# Altium PCB OZ440-SE130-CAR001.PcbDoc (part 2 of 2)
Units mm, origin at the board's own origin, x right, y up, seen from the top; angles counter-clockwise.
Board outline 154.93 x 68 mm, 4 copper layers (Top Layer, Mid-Layer 1, Mid-Layer 2, Bottom Layer), stack 1.448 mm thick; 100 components, 66 nets, 304 pads, 193 vias.
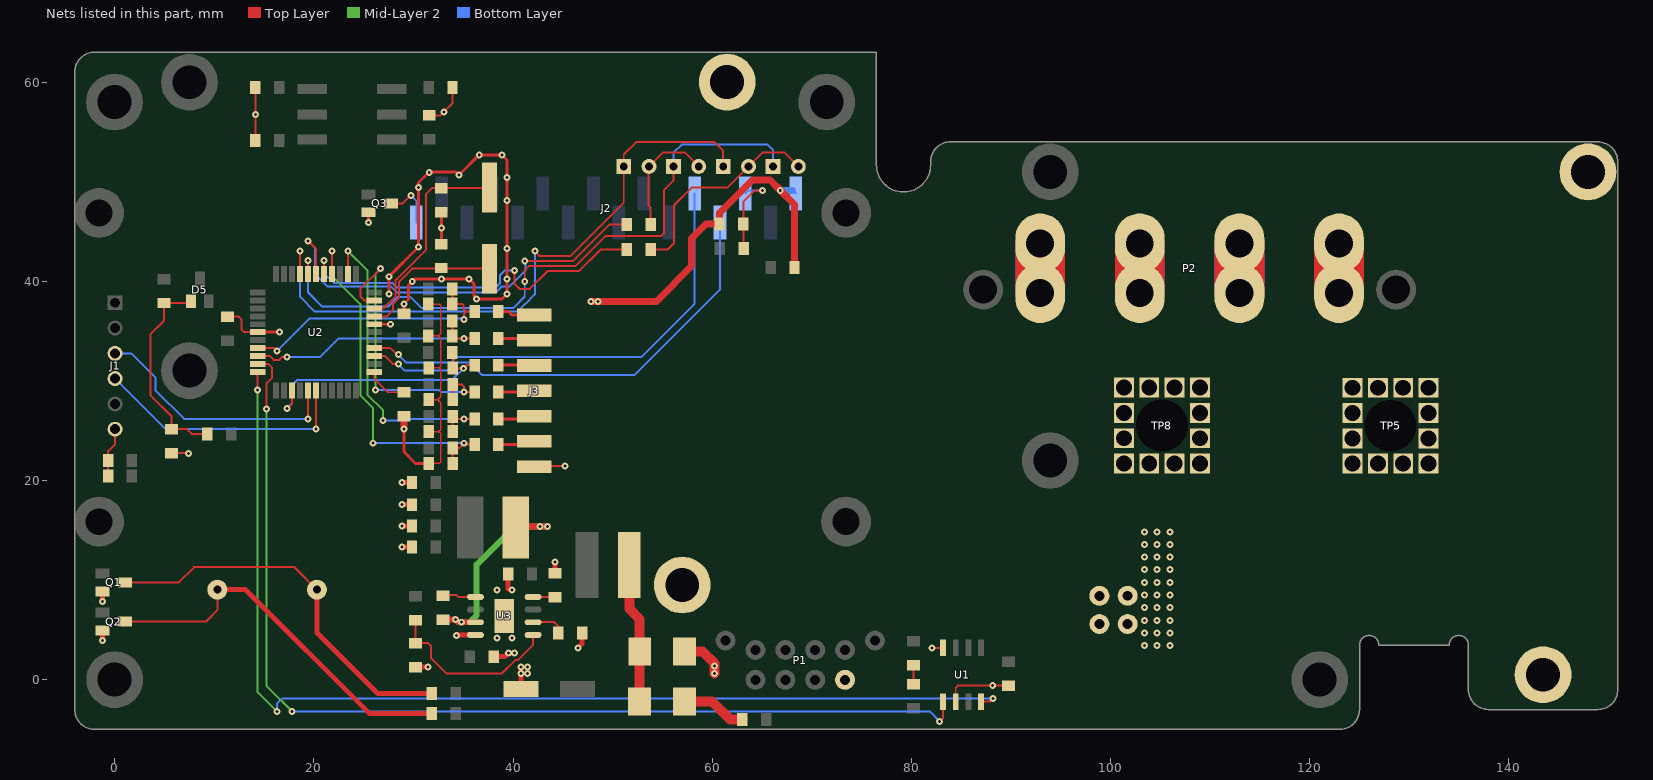
[diagram p4: the nets of this part, all layers, seen from the top]

## Via types
v1: diameter 0.7, hole 0.3, Top Layer to Bottom Layer, tented both sides, 165 vias
v2: diameter 0.6, hole 0.6, Top Layer to Bottom Layer, tented both sides, 28 vias

## Nets (pads, with @x,y where several pads share a name; then routed paths per layer and width w, separated by ;. In a path a pad name is that pad's centre, name@x,y a point inside that pad or via, vN(x,y) a via of type N, cw(c..) or ccw(c..) an arc to the next point about the centre after c; other vN are vias at no path point) (continued)
GND: C1.1 C2.1 C3.1 C4.2 C6.1 C7.1 C8.1 C9.1 C10.1 C11.2 C12.2 C13.2 C14.2 C15.2 C16.2 C18.2 C19.2 C20.1 C21.2 C22.1 C23.1 C24.1 C25.1 C26.1 D7.A J1.6 J2.1 J3.7 P1.1 Q1.2 Q2.2 Q3.2 R6.1 R10.1 R12.1 R13.1 R21.1 R22.2 R23.2 U1.2 U1.8 U2.6 U2.29 U3.4 U3.9 | length 180.1
  Top Layer w0.15: C12.2@31.507,34.509 32.512,34.509 ; C11.2@31.507,37.707 32.591,37.707 32.725,37.574 32.725,34.722 32.512,34.509 ; C16.2@31.525,21.717 32.591,21.717 32.725,21.85 32.725,24.725 32.535,24.915 ; C15.2@31.525,24.915 32.535,24.915 ; C14.2@31.525,28.113 32.431,28.113 ; C13.2@31.525,31.311 32.581,31.311 ; 32.431,28.113 32.725,28.407 32.725,31.168 32.581,31.311 ; 32.431,28.113 32.725,27.819 32.725,25.105 32.535,24.915 ; 32.512,34.509 32.725,34.296 32.725,31.455 32.581,31.311
  Top Layer w0.2: R23.2@-0.663,20.438 R22.2@-0.663,22.004 -0.663,22.941 0.045,23.649 J1.6@0.045,25.148 ; C10.1@5.729,22.749 7.371,22.749 v1(7.395,22.724) ; C6.1@11.329,36.443 12.472,36.443 12.729,36.186 12.729,35.17 13.012,34.887 U2.6@14.365,34.887 ; R10.1@14.123,54.137 v1(14.123,56.76) R13.1@14.123,59.458 ; R12.1@31.588,56.672 32.707,56.672 v1(33.049,57.014) 33.923,57.889 R6.1@33.923,59.458 ; J3.7@42.138,21.383 42.209,21.454 v1(45.241,21.454) ; v1(82.071,3.166) 82.107,3.203 U1.8@83.183,3.203 ; U1.2@84.453,-2.197 84.453,-0.802 84.649,-0.605 v1(88.167,-0.605) C1.1@89.747,-0.605
  Top Layer w0.3: U2.6@14.365,34.887 v1(16.539,34.887) ; v1(25.481,45.891) Q3.2@25.481,46.931 ; U2.29@26.065,35.687 v1(27.703,35.687) ; v1@27.528,38.726 27.528,40.455 v1(27.532,40.458) 30.509,43.435 30.509,49.394 v1(30.513,49.398) 30.513,49.91 31.589,50.986 34.259,50.986 v1(34.577,50.668) 36.605,52.696 38.891,52.696 39.399,52.188 39.399,40.254 39.399,38.726 38.891,38.218 36.351,38.218 36.097,38.472 36.097,39.721 35.597,40.222 30.102,40.222 v1(29.881,40) 29.493,39.612 29.493,38.162 v1(29.041,37.71) 29.037,37.707 C7.1@29.037,36.722 ; v1(29.041,25.148) 29.041,22.893 30.217,21.717 C16.2@31.525,21.717 ; C3.1@32.795,43.736 v1(32.795,45.33) C2.1@32.795,46.924
  Top Layer w0.5: v1(-1.231,3.927) v1(-1.231,3.927) Q2.2@-1.23,4.938 ; v1(-1.23,7.853) -1.229,7.854 Q1.2@-1.229,8.864 ; v1(28.839,13.317) 28.84,13.316 C22.1@29.849,13.316 ; v1(28.839,15.442) 28.84,15.441 C20.1@29.849,15.441 ; v1(28.839,17.566) 28.84,17.565 C23.1@29.849,17.565 ; v1(28.839,19.816) 28.84,19.814 C24.1@29.849,19.814 ; R21.1@30.224,1.261 31.474,1.261 v1(31.485,1.272) ; v1(34.319,4.436) 34.258,4.497 U3.4@36.219,4.497 ; C18.2@38.066,2.304 39.145,2.304 v1(39.547,2.7) v1(40.161,2.7) ; 39.505,9.114 C19.2@39.505,10.605 ; C21.2@40.785,-0.946 v1(40.785,0.626) v1(40.785,1.272) ; C25.1@44.195,10.694 44.195,11.772 v1(44.225,11.802) ; v1(46.511,3.166) 46.949,3.604 C26.1@46.949,4.69
  Top Layer w0.7: v1(29.041,25.148) C4.2@29.041,26.46 ; v1(47.814,37.964) v1(48.543,37.964) 54.385,37.964 57.941,41.52 57.941,44.314 59.389,45.762 C8.1@60.731,45.762 60.731,46.851 64.037,50.156 65.815,50.156 v1(66.831,49.14) 68.26,47.711 C9.1@68.26,41.365
  Top Layer w1: D7.A@57.228,2.839 59.03,2.839 60.227,1.642 v1(60.227,1.388) v1(60.227,0.626)
  Bottom Layer w0.2: J2.1@68.076,49.14 J2.1@68.397,48.82
  Bottom Layer w0.7: v1(66.831,49.14) J2.1@68.076,49.14
  other v1: 41.431,0.626 41.431,1.272 38.383,4.182 39.907,4.182 38.383,9.008 39.907,9.008 36.355,38.222 27.532,38.73 39.403,38.73 32.799,40.225 35.6,40.225 39.403,40.254 39.403,43.302 30.513,43.439 39.403,48.128 39.403,50.414 31.588,50.918 36.609,52.7 38.895,52.7
NetBUZ1_1: BUZ1.1 Q2.3 R7.1 | length 38.5
  Top Layer w0.2: Q2.3@1.045,5.838 9.174,5.838 10.313,6.976 BUZ1.1@10.313,9.04
  Top Layer w0.5: BUZ1.1@10.313,9.04 13.141,9.04 25.599,-3.419 R7.1@31.849,-3.419
NetBUZ1_2: BUZ1.2 Q1.3 R8.1 | length 39.2
  Top Layer w0.2: Q1.3@1.045,9.77 6.452,9.77 7.976,11.294 18.058,11.294 BUZ1.2@20.313,9.04
  Top Layer w0.5: BUZ1.2@20.313,9.04 20.313,4.726 26.445,-1.406 R8.1@31.849,-1.406
NetC2_2: C2.2 U2.31 Y1.2 | length 20.7
  Top Layer w0.2: U2.31@26.065,37.287 26.994,37.287 28.223,38.516 28.223,40.12 31.271,43.168 31.271,48.771 31.849,49.349 C2.2@32.795,49.349 Y1.2@37.554,49.349
NetC3_2: C3.2 U2.30 Y1.1 | length 14.8
  Top Layer w0.2: U2.30@26.065,36.487 27.321,36.487 27.969,37.135 27.969,37.761 28.573,38.365 28.573,39.975 29.864,41.266 32.725,41.266 C3.2@32.795,41.336 ; C3.2@32.865,41.266 Y1.1@37.621,41.266
NetC4_1: C4.1 U2.23 | length 4.2
  Top Layer w0.2: U2.23@26.065,30.887 26.065,30.216 27.421,28.86 C4.1@29.041,28.86
NetC10_2: C10.2 D5.1 R9.1 R11.1 | length 20.4
  Top Layer w0.2: D5.1@7.471,37.822 R9.1@4.937,37.822 4.937,36.014 3.585,34.662 3.585,28.566 5.729,26.422 C10.2@5.729,25.149 7.257,25.149 7.722,24.683 R11.1@9.313,24.683
NetC17_1: C17.1 U3.1 | length 3.4
  Top Layer w0.2: C17.1@32.956,8.436 33.02,8.5 34.319,8.5 34.512,8.307 U3.1@36.219,8.307
NetC17_2: C17.2 L2.1 U3.3 | length 22.8
  Top Layer w0.6: C17.2@32.956,6.036 v1(34.243,6.036) 34.512,5.767 v1(34.827,5.767) U3.3@36.219,5.767 ; L2.1@40.356,15.358 v1(42.701,15.358) v1(43.463,15.358)
  Mid-Layer 2 w0.6: v1(34.243,6.036) 34.512,5.767 v1(34.827,5.767) 35.649,5.767 36.351,6.468 36.351,11.548 40.161,15.358 v1(42.701,15.358) v1(43.463,15.358)
NetC25_2: C25.2 U3.8 | length 2.2
  Top Layer w0.2: U3.8@42.019,8.307 C25.2@44.182,8.307
NetC26_2: C26.2 U3.6 | length 3.4
  Top Layer w0.2: U3.6@42.019,5.767 44.164,5.767 44.549,5.382 C26.2@44.549,4.69
NetD1_1: D1.1 D3.1 U2.40 | length 67.1
  Top Layer w0.2: U2.40@19.415,40.737 v1(19.415,42.095) ; v1(41.177,40) 41.177,41.111 41.587,41.52 46.257,41.52 49.305,44.568 54.893,44.568 55.147,44.822 55.147,49.14 56.106,50.1 D3.1@56.106,51.535
  Bottom Layer w0.2: v1(19.415,42.095) 19.415,38.898 20.857,37.456 27.457,37.456 28.432,38.432 29.68,38.432 30.813,37.298 40.003,37.298 41.177,38.472 v1(41.177,40) ; D3.1@56.106,51.535 56.106,52.894 56.925,53.712 65.561,53.712 66.107,53.166 D1.1@66.107,51.536
NetD1_2: D1.2 D2.2 R1.2 | length 21.7
  Top Layer w0.2: R1.2@53.811,43.195 55.551,43.195 56.163,43.806 56.163,47.616 57.941,49.394 61.505,49.394 D2.2@63.646,51.536 65.061,52.95 67.232,52.95 D1.2@68.647,51.536
NetD2_1: D2.1 D4.1 U2.41 | length 64.8
  Top Layer w0.2: U2.41@18.615,40.737 v1(18.615,43.044) ; v1(42.193,43.044) 42.701,42.536 45.749,42.536 51.117,47.905 D4.1@51.117,51.536 51.117,52.731 52.353,53.966 60.227,53.966 61.106,53.087 D2.1@61.106,51.536
  Bottom Layer w0.2: v1(18.615,43.044) 18.615,38.432 20.099,36.948 40.415,36.948 41.177,37.71 41.218,37.71 42.193,38.686 v1(42.193,43.044)
NetD3_2: D3.2 D4.2 R2.2 | length 12.1
  Top Layer w0.2: R2.2@53.811,45.69 53.811,47.428 53.623,47.616 53.623,51.501 D4.2@53.657,51.536 55.072,52.95 57.231,52.95 D3.2@58.646,51.535
NetD6_A: D6.A F1.2 | length 6.6
  Top Layer w1: D6.A@57.214,-2.18 59.985,-2.18 61.812,-4.007 F1.2@63.037,-4.007
NetD6_K: D6.K D7.K L1.1 | length 14.1
  Top Layer w1: L1.1@51.672,11.51 51.672,7.149 52.714,6.108 D6.K@52.714,-2.18
NetJ2_16: J2.16 Q3.3 | length 5.3
  Top Layer w0.2: Q3.3@27.756,47.831 28.946,47.831 v1(29.747,48.632)
  Bottom Layer w0.2: v1(29.747,48.632) 30.297,48.082 J2.16@30.297,45.9
NetJ3_1: J3.1 R14.1 | length 3.7
  Top Layer w0.3: R14.1@38.536,36.962 39.539,36.962 39.878,36.623 J3.1@42.138,36.623
NetJ3_2: J3.2 R15.1 | length 3.7
  Top Layer w0.3: R15.1@38.536,34.267 41.954,34.267 J3.2@42.138,34.083
NetJ3_3: J3.3 R16.1 | length 3.6
  Top Layer w0.3: R16.1@38.536,31.573 42.109,31.573 J3.3@42.138,31.543
NetJ3_4: J3.4 R17.1 | length 3.7
  Top Layer w0.3: R17.1@38.536,28.878 42.013,28.878 J3.4@42.138,29.003
NetJ3_5: J3.5 R18.1 | length 3.7
  Top Layer w0.3: R18.1@38.536,26.183 41.858,26.183 J3.5@42.138,26.463
NetJ3_6: J3.6 R19.1 | length 3.7
  Top Layer w0.3: R19.1@38.536,23.633 41.848,23.633 J3.6@42.138,23.923
NetP2_1: P2.1 TP4.1
NetP2_2: P2.2 TP1.1
NetP2_3: P2.3 TP5.1
NetP2_4: P2.4 TP8.1
NetR1_1: R1.1 U2.38 | length 38.1
  Top Layer w0.2: U2.38@21.015,40.737 v1(21.015,42.095) ; v1(40.161,41.067) 40.161,39.721 40.648,39.234 41.685,39.234 43.463,41.012 46.621,41.012 48.803,43.195 R1.1@51.411,43.195
  Top Layer w0.3: v1@20.946,42.164 v1(21.015,42.095)
  Bottom Layer w0.2: v1(21.015,42.095) 21.015,40.829 22.006,39.838 27.86,39.838 28.298,39.4 38.295,39.4 38.693,39.798 38.693,40.614 39.145,41.067 v1(40.161,41.067)
NetR2_1: R2.1 U2.39 | length 42.8
  Top Layer w0.2: v1(19.415,44.06) 20.215,43.26 U2.39@20.215,40.737 ; v1(41.177,42.028) 46.003,42.028 49.665,45.69 R2.1@51.411,45.69
  Bottom Layer w0.2: v1(19.415,44.06) 20.099,43.377 20.099,40.755 21.365,39.488 27.715,39.488 28.305,38.898 38.3,38.898 38.891,39.488 39.653,39.488 41.231,41.067 41.231,42.028 v1(41.177,42.028)
NetR3_1: R3.1 R4.2 | length 1.9
  Top Layer w0.2: R4.2@80.228,-0.448 R3.1@80.228,1.44
NetR20_1: R20.1 R21.2 U3.5 | length 18.3
  Top Layer w0.2: R21.2@30.224,3.661 R20.1@30.223,5.974 ; R21.2@30.224,3.661 31.485,3.661 31.779,3.367 31.779,2.15 33.303,0.626 38.891,0.626 40.224,1.959 40.478,1.959 42.019,3.501 U3.5@42.019,4.497
NetTP2_1: pad.2@98.876,5.582 TP2.1 TP3.1
NetTP6_1: pad.2@101.713,5.585 TP6.1 TP7.1
  other v1: 103.407,3.42 104.677,3.42 105.947,3.42 103.407,4.69 104.677,4.69 105.947,4.69 103.407,5.96 104.677,5.96 105.947,5.96 103.407,7.23 104.677,7.23 105.947,7.23 103.407,8.5 104.677,8.5 105.947,8.5 103.407,9.77 104.677,9.77 105.947,9.77 103.407,11.04 104.677,11.04 105.947,11.04 103.407,12.31 104.677,12.31 105.947,12.31 103.407,13.58 104.677,13.58 105.947,13.58 103.407,14.85 104.677,14.85 105.947,14.85
PGC_1: J1.3 U2.16 | length 25.7
  Top Layer w0.2: v1(19.415,26.183) U2.16@19.415,29.037
  Bottom Layer w0.2: J1.3@0.045,32.768 1.67,32.768 4.093,30.344 4.093,29.074 6.984,26.183 v1(19.415,26.183)
PGD_1: J1.4 U2.17 | length 26.2
  Top Layer w0.2: v1(20.215,25.148) U2.17@20.215,29.037
  Bottom Layer w0.2: J1.4@0.045,30.228 5.125,25.148 v1(20.215,25.148)
R/W\_DISPLAY_1: J2.5 U2.26 | length 46.3
  Top Layer w0.2: U2.26@26.065,33.287 27.703,33.287 28.36,32.63 v1(28.477,32.63)
  Bottom Layer w0.2: v1(28.477,32.63) 29.239,31.868 33.811,31.868 34.319,32.376 52.861,32.376 58.237,37.752 J2.5@58.237,48.82
RS_DISPLAY_1: J2.4 U2.25 | length 46.5
  Top Layer w0.2: U2.25@26.065,32.487 27.169,32.487 27.969,31.687 v1(28.477,31.687)
  Bottom Layer w0.2: v1(28.477,31.687) 29.133,31.031 33.662,31.031 34.5,31.868 35.589,31.868 36.859,30.598 52.216,30.598 60.777,39.16 J2.4@60.777,45.9
RX_CAN_1: U1.4 U2.11 | length 109.1
  Top Layer w0.2: v1(14.365,29.074) U2.11@14.365,30.887 ; U1.4@86.993,-2.197 87.909,-2.197 v1(88.192,-1.914)
  Mid-Layer 2 w0.2: v1(14.365,29.074) 14.365,-1.264 v1(16.285,-3.184)
  Bottom Layer w0.2: v1(16.285,-3.184) 16.285,-2.422 16.793,-1.914 v1(88.192,-1.914)
T1_1: C11.1 R14.2 R24.1 U2.8 | length 27.4
  Top Layer w0.2: U2.8@14.365,33.287 15.987,33.287 v1(16.285,32.989) ; R24.1@33.907,39.234 C11.1@33.907,37.707 34.924,37.707 35.039,37.592 35.039,37.217 35.307,36.948 ; v1(35.081,36.186) 35.081,36.722 35.307,36.948 ; R14.2@36.136,36.962 36.122,36.948 35.307,36.948
  Bottom Layer w0.2: v1(16.285,32.989) 19.583,36.287 34.98,36.287 v1(35.081,36.186)
T2_1: C12.1 R15.2 R25.1 U2.9 | length 25.6
  Top Layer w0.2: U2.9@14.365,32.487 15.603,32.487 15.968,32.122 16.539,32.122 16.793,32.376 v1(17.301,32.376) ; R25.1@33.907,36.036 C12.1@33.907,34.509 34.149,34.267 v1(35.081,34.267) R15.2@36.136,34.267
  Bottom Layer w0.2: v1(17.301,32.376) 20.603,32.376 22.494,34.267 v1(35.081,34.267)
T3_1: C13.1 R16.2 R26.1 U2.14 | length 26.6
  Top Layer w0.2: v1(17.301,27.233) 17.301,27.197 17.815,27.712 U2.14@17.815,29.037 ; R26.1@33.907,32.838 33.907,31.329 C13.1@33.925,31.311 33.968,31.268 v1(35.039,31.268) 35.343,31.573 R16.2@36.136,31.573
  Mid-Layer 2 w0.2: v1@34.947,31.36 v1(35.039,31.268)
  Bottom Layer w0.2: v1(17.301,27.233) 17.809,27.741 17.809,29.582 18.317,30.09 33.861,30.09 v1(35.039,31.268)
T4_1: C14.1 R17.2 R27.1 U2.32 | length 30.9
  Top Layer w0.2: U2.32@26.065,38.087 25.052,38.087 24.667,38.472 24.667,39.234 v1(26.699,41.266) ; C14.1@33.925,28.113 R27.1@33.925,29.64 34.863,29.64 35.081,29.422 v1(35.081,28.878) R17.2@36.136,28.878
  Mid-Layer 2 w0.2: v1(26.191,29.074) 26.191,40.758 v1(26.699,41.266)
  Bottom Layer w0.2: v1(26.191,29.074) 32.583,29.074 32.779,28.878 v1(35.081,28.878)
T5_1: C15.1 R18.2 R28.1 U2.35 | length 32.8
  Top Layer w0.2: U2.35@23.415,40.737 v1(23.415,43.044) ; C15.1@33.925,24.915 R28.1@33.925,26.442 34.184,26.183 v1(35.081,26.183) R18.2@36.136,26.183
  Mid-Layer 2 w0.2: v1(23.415,43.044) 25.372,41.088 25.372,28.623 26.953,27.042 v1(26.953,26.026)
  Bottom Layer w0.2: v1(26.953,26.026) 28.477,26.026 28.634,26.183 v1(35.081,26.183)
T6_1: C16.1 R19.2 R29.1 U2.37 | length 36.5
  Top Layer w0.2: U2.37@21.815,40.737 v1(21.815,43.044) ; C16.1@33.925,21.717 R29.1@33.925,23.244 34.584,23.244 v1(35.081,23.74) 35.081,23.633 R19.2@36.136,23.633
  Mid-Layer 2 w0.2: v1(21.815,43.044) 21.815,40.562 24.667,37.71 24.667,28.566 25.937,27.296 v1(25.937,23.74)
  Bottom Layer w0.2: v1(25.937,23.74) v1(35.081,23.74)
TX_CAN_1: U1.1 U2.10 | length 104.9
  Top Layer w0.2: U2.10@14.365,31.687 15.45,31.687 15.777,31.36 15.777,30.281 15.269,29.773 v1(15.269,27.197) ; v1(82.838,-4.2) 83.183,-3.855 U1.1@83.183,-2.197
  Mid-Layer 2 w0.2: v1(15.269,27.197) 15.269,-0.644 v1(17.809,-3.184)
  Bottom Layer w0.2: v1(17.809,-3.184) 81.822,-3.184 v1(82.838,-4.2)
VO_CONTRAST_1: C8.2 J2.3 R5.2 | length 9.1
  Top Layer w0.2: R5.2@63.131,43.195 C8.2@63.131,45.762 63.131,47.981 64.291,49.14 v1(65.053,49.14)
  Bottom Layer w0.2: J2.3@63.317,48.82 63.638,49.14 v1(65.053,49.14)
pads on no net: D5.2 J1.5 J2.7 J2.8 J2.9 J2.10 P1.3 P1.4 P1.5 P1.6 P1.FIX1 P1.FIX2 P2.Fix1 P2.Fix2 TP9.1 TP10.1 TP11.1 TP12.1 TP13.1 TP14.1 TP15.1 TP16.1 TP17.1 TP18.1 TP19.1 TP20.1 U2.4 U2.5 U2.12 U2.13 U2.24 U2.33 U2.34
copper on no net:
  other v2: 136.069,4.299 124.874,4.314 136.069,5.061 124.874,5.076 136.069,5.823 124.874,5.838 88.501,16.963 89.263,16.963 90.025,16.963 118.647,16.999 119.409,16.999 120.171,16.999 88.501,19.003 89.263,19.003 90.025,19.003 118.647,19.039 119.409,19.039 120.171,19.039 76.572,46.6 81.901,46.6 76.572,47.362 81.901,47.362 76.572,48.124 81.901,48.124 76.572,48.886 81.901,48.886 76.572,49.648 81.901,49.648

## Polygon pours and split planes (outlines as drawn)
NetTP2_1 on Top Layer "Top Layer-No Net" (solid, pour order 46): 53.877,7.738 55.147,6.468 90.199,6.468 91.977,4.69 91.977,2.912 92.491,2.398 93.241,2.398 93.247,2.404 93.247,16.12 78.007,16.12 77.499,15.612 77.499,13.072 76.991,12.564 70.133,12.564 69.625,13.072 69.625,15.612 69.117,16.12 54.385,16.12 53.877,15.612
NetP2_4 on Top Layer "Top Layer-No Net" (solid, pour order 31): 99.314,20.066 110.744,20.066 110.744,30.988 110.744,31.031 97.282,31.031 97.282,44.45 97.282,47.378 89.662,47.378 89.662,29.21 89.662,25.4 94.742,25.4 97.282,25.4 97.282,20.066
NetP2_3 on Top Layer "Top Layer-No Net" (solid, pour order 39): 122.936,30.734 122.931,34.798 107.95,34.798 107.95,47.378 98.552,47.378 98.552,31.75 111.252,31.75 111.252,20.32 133.35,20.32 133.35,30.734
NetP2_2 on Top Layer "Top Layer-No Net" (solid, pour order 45): 109.22,35.687 117.602,35.687 117.602,42.926 117.602,47.752 127.762,47.752 150.622,47.752 150.622,51.308 148.082,53.848 109.22,53.848 109.22,35.687
NetP2_1 on Top Layer "Top Layer-No Net" (solid, pour order 50): 119.126,46.99 119.126,35.56 132.588,35.56 137.414,35.56 137.414,-2.197 137.414,-2.54 147.927,-2.54 149.606,-2.54 149.606,0.254 149.606,46.99 119.126,46.99
NetTP6_1 on Mid-Layer 1 "Top Layer-No Net" (solid, pour order 44): 53.877,18.66 65.815,6.468 90.199,6.468 91.977,4.69 91.977,2.912 92.485,2.404 107.725,2.404 107.725,16.12 78.007,16.12 77.499,15.612 77.499,13.072 76.991,12.564 70.133,12.564 69.625,13.072 69.625,46.6 75.467,52.188 75.467,62.856 41.939,62.856 41.939,47.616 53.877,35.678
GND on Mid-Layer 1 "Top Layer-No Net" (solid, pour order 51): -1.749,62.856 41.431,62.856 41.431,47.362 52.861,35.932 53.115,35.678 53.115,28.82 53.115,18.152 55.655,15.612 65.815,5.452 79.531,5.452 89.945,5.452 91.215,4.182 91.215,1.642 91.977,0.88 112.805,0.88 113.313,0.372 113.313,-1.66 113.313,-4.2 113.059,-4.454 112.805,-4.708 -1.495,-4.708 -3.273,-2.93 -3.273,61.078 -3.273,61.332 -1.749,62.856
NetP2_4 on Mid-Layer 1 "Top Layer-No Net" (solid, pour order 32): 99.314,20.066 110.744,20.066 110.744,30.988 110.744,31.031 97.282,31.031 97.282,44.45 97.282,47.378 89.662,47.378 89.662,29.21 89.662,25.4 94.742,25.4 97.282,25.4 97.282,20.066
NetP2_3 on Mid-Layer 1 "Top Layer-No Net" (solid, pour order 38): 122.936,30.734 122.931,34.798 107.95,34.798 107.95,47.378 98.552,47.378 98.552,31.75 111.252,31.75 111.252,20.32 133.35,20.32 133.35,30.734
NetP2_2 on Mid-Layer 1 "Top Layer-No Net" (solid, pour order 43): 109.22,35.687 117.602,35.687 117.602,42.926 117.602,47.752 127.762,47.752 150.622,47.752 150.622,51.308 148.082,53.848 109.22,53.848 109.22,35.687
NetP2_1 on Mid-Layer 1 "Top Layer-No Net" (solid, pour order 49): 119.126,46.99 119.126,35.56 132.588,35.56 137.414,35.56 137.414,-2.197 137.414,-2.54 147.927,-2.54 149.606,-2.54 149.606,0.254 149.606,46.99 119.126,46.99
NetTP6_1 on Mid-Layer 2 "Top Layer-No Net" (solid, pour order 40): 53.877,18.66 65.815,6.468 90.199,6.468 91.977,4.69 91.977,2.912 92.485,2.404 107.725,2.404 107.725,16.12 78.007,16.12 77.499,15.612 77.499,13.072 76.991,12.564 70.133,12.564 69.625,13.072 69.625,46.6 75.467,52.188 75.467,62.856 41.939,62.856 41.939,47.616 53.877,35.678
NetP2_4 on Mid-Layer 2 "Top Layer-No Net" (solid, pour order 33): 99.314,20.066 110.744,20.066 110.744,30.988 110.744,31.031 97.282,31.031 97.282,44.45 97.282,47.378 89.662,47.378 89.662,29.21 89.662,25.4 94.742,25.4 97.282,25.4 97.282,20.066
NetP2_3 on Mid-Layer 2 "Top Layer-No Net" (solid, pour order 37): 122.936,30.734 122.931,34.798 107.95,34.798 107.95,47.378 98.552,47.378 98.552,31.75 111.252,31.75 111.252,20.32 133.35,20.32 133.35,30.734
NetP2_2 on Mid-Layer 2 "Top Layer-No Net" (solid, pour order 42): 109.22,35.687 117.602,35.687 117.602,42.926 117.602,47.752 127.762,47.752 150.622,47.752 150.622,51.308 148.082,53.848 109.22,53.848 109.22,35.687
NetP2_1 on Mid-Layer 2 "Top Layer-No Net" (solid, pour order 48): 119.126,46.99 119.126,35.56 132.588,35.56 137.414,35.56 137.414,-2.197 137.414,-2.54 147.927,-2.54 149.606,-2.54 149.606,0.254 149.606,46.99 119.126,46.99
NetTP2_1 on Bottom Layer "Top Layer-No Net" (solid, pour order 36): 53.877,7.738 55.147,6.468 90.199,6.468 91.977,4.69 91.977,2.912 92.491,2.398 93.241,2.398 93.247,2.404 93.247,16.12 78.007,16.12 77.499,15.612 77.499,13.072 76.991,12.564 70.133,12.564 69.625,13.072 69.625,15.612 69.117,16.12 54.385,16.12 53.877,15.612
NetP2_4 on Bottom Layer "Top Layer-No Net" (solid, pour order 34): 99.314,20.066 110.744,20.066 110.744,30.988 110.744,31.031 97.282,31.031 97.282,44.45 97.282,47.378 89.662,47.378 89.662,29.21 89.662,25.4 94.742,25.4 97.282,25.4 97.282,20.066
NetP2_3 on Bottom Layer "Top Layer-No Net" (solid, pour order 35): 122.936,30.734 122.931,34.798 107.95,34.798 107.95,47.378 98.552,47.378 98.552,31.75 111.252,31.75 111.252,20.32 133.35,20.32 133.35,30.734
NetP2_2 on Bottom Layer "Top Layer-No Net" (solid, pour order 41): 109.22,35.687 117.602,35.687 117.602,42.926 117.602,47.752 127.762,47.752 150.622,47.752 150.622,51.308 148.082,53.848 109.22,53.848 109.22,35.687
NetP2_1 on Bottom Layer "Top Layer-No Net" (solid, pour order 47): 119.126,46.99 119.126,35.56 132.588,35.56 137.414,35.56 137.414,-2.197 137.414,-2.54 147.927,-2.54 149.606,-2.54 149.606,0.254 149.606,46.99 119.126,46.99
no net on Top Solder "Top Layer-No Net" (solid, pour order 30): 99.568,20.081 99.568,31.031 97.282,31.031 97.282,33.528 89.662,33.528 89.662,25.4 97.282,25.4 97.282,20.066
no net on Top Solder "Top Layer-No Net" (solid, pour order 37): 122.428,33.528 98.552,33.528 98.552,31.75 111.252,31.75 111.252,20.32 122.428,20.32
no net on Top Paste "Top Layer-No Net" (solid, pour order 30): 99.568,20.081 99.568,31.031 97.282,31.031 97.282,33.528 89.662,33.528 89.662,25.4 97.282,25.4 97.282,20.066
no net on Top Paste "Top Layer-No Net" (solid, pour order 37): 122.428,33.528 98.552,33.528 98.552,31.75 111.252,31.75 111.252,20.32 122.428,20.32
no net on Bottom Paste "Top Layer-No Net" (solid, pour order 30): 99.568,20.081 99.568,31.031 97.282,31.031 97.282,33.528 89.662,33.528 89.662,25.4 97.282,25.4 97.282,20.066
no net on Bottom Paste "Top Layer-No Net" (solid, pour order 37): 122.428,33.528 98.552,33.528 98.552,31.75 111.252,31.75 111.252,20.32 122.428,20.32
no net on Bottom Solder "Top Layer-No Net" (solid, pour order 30): 99.568,20.081 99.568,31.031 97.282,31.031 97.282,33.528 89.662,33.528 89.662,25.4 97.282,25.4 97.282,20.066
no net on Bottom Solder "Top Layer-No Net" (solid, pour order 37): 122.428,33.528 98.552,33.528 98.552,31.75 111.252,31.75 111.252,20.32 122.428,20.32

## Other copper
Top Layer:
  rectangle net 12V_FILT: 33.811,-4.454 37.875,-0.39
  rectangle net GND: 40.415,-0.39 41.905,1.642
  rectangle net GND: 37.875,4.182 40.415,9.516
  region net NetTP2_1: 99.851,16.127 92.739,16.127 92.739,2.404 99.851,2.404
  rectangle net NetTP6_1: 100.613,2.404 107.725,16.12
Mid-Layer 1:
  pour cut-out: 97.311,10.024 97.311,4.182 100.359,4.182 100.359,10.024
  pour cut-out: 49.813,52.696 49.813,50.41 69.879,50.41 69.879,52.696
Mid-Layer 2:
  pour cut-out: 97.311,10.024 97.311,4.182 100.359,4.182 100.359,10.024
  pour cut-out: 49.813,52.696 49.813,50.41 69.879,50.41 69.879,52.696
Bottom Layer:
  region net NetTP2_1: 99.851,16.12 92.862,16.12 92.862,2.404 99.851,2.404

## Silkscreen, mask and mechanical layers (free items; w line width, h text height)
Top Overlay:
  drawing of 726 lines, arcs and shapes, not listed
  text "Placer les LEDS" at 38.637,57.268 h1
  text "cote Bottom" at 38.565,55.744 h1
cutout:
  lines w0.1: 81.927,51.68 cw(c79.211,51.68) 76.495,51.68 76.495,63.003 -2.005,63.003 ccw(c-2.005,61.003) -4.005,61.003 -4.005,-2.997 ccw(c-2.005,-2.997) -2.005,-4.997 122.995,-4.997 ccw(c122.995,-2.997) 124.995,-2.997 124.995,3.471 ; 81.927,51.681 81.927,52 cw(c83.927,52) 83.927,54 148.927,54 cw(c148.927,52) 150.927,52 150.927,-1 cw(c148.927,-1) 148.927,-3 137.927,-3 cw(c137.927,-1) 135.927,-1 135.927,3.471 ccw(c134.962,3.471) 133.997,3.471 ; 87.468,19 83.927,19 cw(c83.927,21) 81.927,21 81.927,44.822 ccw(c79.211,44.822) 76.495,44.822 76.495,42.003 ccw(c76.995,40.588) 75.495,40.588 75.495,19.003 ccw(c77.495,19.003) 77.495,17.003 77.495,17.001 87.468,17.001 ccw(c87.468,18.001) 87.468,19.001 ; 117.613,19.003 91.041,19.003 ccw(c91.041,18.003) 91.041,17.003 117.614,17.003 117.614,17.001 ccw(c117.614,18.001) 117.614,19.001 ; 124.997,3.471 cw(c125.962,3.471) 126.927,3.471 133.996,3.471 ; 90.927,51.68 90.927,51.68 ; 90.927,51.68 90.927,51.68 ; 121.187,17.003 cw(c121.187,18.003) 121.187,19.003 133.927,19.003 133.927,19 cw(c133.927,17) 135.927,17 135.927,6.671 cw(c134.962,6.671) 133.997,6.671 126.927,6.671 cw(c125.962,6.671) 124.997,6.671 124.997,15.003 124.995,15.003 ccw(c122.995,15.003) 122.995,17.003 121.187,17.003
Assy Top details:
  text ".ASsyDocumentNumber" at 240.752,-113.916 h1.52
Assy bottom details:
  text ".ASsyDocumentNumber" at -13.002,-114.181 h1.52
DXF import:
  drawing of 2069 lines, arcs and shapes, not listed
Sheet format drawing:
  drawing of 2594 lines, arcs and shapes, not listed
  text "1" at -56.805,157.418 h1.78
  text "2" at -7.766,157.418 h1.78
  text "3" at 41.493,157.418 h1.78
  text "4" at 90.786,157.418 h1.78
  text "5" at 140.062,157.418 h1.78
  text "6" at 189.084,157.418 h1.78
  text "7" at 238.614,157.418 h1.78
  text "8" at 287.636,157.418 h1.78
  text "A" at -78.937,123.433 h1.78
  text "A" at 309.683,123.433 h1.78
  text "B" at -78.937,52.821 h1.78
  text "B" at 309.683,52.821 h1.78
  text "C" at -78.937,-17.791 h1.78
  text "C" at 309.683,-17.791 h1.78
  text "D" at -78.937,-87.895 h1.78
  text "D" at 309.683,-87.895 h1.78
  text "Verifie par:" at 194.748,-88.073 h1.14
  text "Nom de la carte:" at 232.848,-88.073 h1.14
  text ".VerifEngineer" at 200.374,-91.269 h1.52
  text ".boardName" at 244.854,-91.653 h1.52
  text "Nom du Projet" at 232.721,-94.423 h1.14
  text "dessine par:" at 194.748,-95.566 h1.14
  text ".projectTitle" at 245.174,-98.053 h1.52
  text ".designEngineer" at 200.566,-98.757 h1.52
  text "3 Av didier Daurat" at 163.282,-102.994 h1.52
  text "DATE:" at 194.748,-103.313 h1.14
  text "PART NO.:" at 232.848,-103.313 h1.14
  text "Revision" at 286.188,-103.313 h1.14
  text ".PRINT_DATE" at 196.018,-106.361 h1.78
  text "31400 Toulouse" at 165.213,-106.804 h1.52
  text ".boardrevision" at 286.599,-106.804 h1.52
  text ".boardPartNumber" at 241.526,-106.821 h1.52
  text "NOM DU FICHIER:" at 194.748,-110.933 h1.14
  text "Document: No:" at 232.848,-110.933 h1.14
  text "Echelle:" at 286.188,-110.933 h1.14
  text "1:1" at 292.15,-113.541 h1.52
  text ".PCB_FILE_NAME_NO_PATH" at 194.27,-114.043 h1.78
  text "1" at -56.805,-119.442 h1.78
  text "2" at -7.766,-119.442 h1.78
  text "3" at 41.493,-119.442 h1.78
  text "4" at 90.786,-119.442 h1.78
  text "5" at 140.062,-119.442 h1.78
  text "6" at 189.084,-119.442 h1.78
  text "7" at 238.614,-119.442 h1.78
  text "8" at 287.636,-119.442 h1.78
Drill Drawing:
  lines w0.25: -28.736,-60.336 98.518,-60.336 ; -28.736,-56.191 98.518,-56.191 ; -30.26,-86.924 ccw(c-28.91,-86.924) -28.91,-88.274 98.692,-88.274 ccw(c98.692,-86.924) 100.042,-86.924 100.042,-52.54 ccw(c98.692,-52.54) 98.692,-51.19 -28.91,-51.19 ccw(c-28.91,-52.54) -30.26,-52.54 -30.26,-86.924
  text ".Legend" at 164.084,94.996 h1
  text "Layer Stack Up Detail for: OZ440-SE130-CAR001.PcbDoc" at -28.736,-55.085 h1.9
  text "Layer" at -28.736,-57.741 h0.95
  text "Gerber" at 1.797,-57.741 h0.95
  text "Copper" at 19.058,-57.741 h0.95
  text "Dielectric" at 37.87,-57.741 h0.95
  text "Dielectric" at 57.347,-57.741 h0.95
  text "Dielectric" at 81.133,-57.741 h0.95
  text "Name" at -28.736,-59.641 h0.95
  text "Document" at 1.797,-59.641 h0.95
  text "Thickness" at 19.058,-59.641 h0.95
  text "Height" at 37.87,-59.641 h0.95
  text "Material" at 57.347,-59.641 h0.95
  text "Type" at 81.133,-59.641 h0.95
  text "Top Solder Mask" at -28.736,-62.392 h1.35
  text "(.GTS)" at 1.797,-62.392 h1.35
  text "0.0102mm" at 37.87,-62.392 h1.35
  text "Solder Resist" at 57.347,-62.392 h1.35
  text "Top Layer" at -28.736,-66.255 h1.35
  text "(.GTL)" at 1.797,-66.255 h1.35
  text "0.0356mm" at 19.058,-66.255 h1.35
  text "0.288mm" at 37.87,-68.186 h1.35
  text "FR-4" at 57.347,-68.186 h1.35
  text "PrePreg" at 81.133,-68.186 h1.35
  text "Mid-Layer 1" at -28.736,-70.118 h1.35
  text "(.G1)" at 1.797,-70.118 h1.35
  text "0.0356mm" at 19.058,-70.118 h1.35
  text "0.73mm" at 37.87,-72.049 h1.35
  text "FR-4" at 57.347,-72.049 h1.35
  text "Core" at 81.133,-72.049 h1.35
  text "Mid-Layer 2" at -28.736,-73.981 h1.35
  text "(.G2)" at 1.797,-73.981 h1.35
  text "0.0356mm" at 19.058,-73.981 h1.35
  text "0.288mm" at 37.87,-75.912 h1.35
  text "FR-4" at 57.347,-75.912 h1.35
  text "PrePreg" at 81.133,-75.912 h1.35
  text "Bottom Layer" at -28.736,-77.844 h1.35
  text "(.GBL)" at 1.797,-77.844 h1.35
  text "0.0356mm" at 19.058,-77.844 h1.35
  text "Bottom Solder Mask" at -28.736,-81.707 h1.35
  text "(.GBS)" at 1.797,-81.707 h1.35
  text "0.0102mm" at 37.87,-81.707 h1.35
  text "Solder Resist" at 57.347,-81.707 h1.35
  text "NOTA : Toutes les dimensions en mm" at 157.942,-83.397 h1.52
  text ".DrillDocumentNumber" at 240.758,-113.861 h1.52
Sheet format drawing mirror:
  drawing of 2594 lines, arcs and shapes, not listed
  text "8" at -55.655,157.482 h1.78
  text "7" at -6.633,157.482 h1.78
  text "6" at 42.897,157.482 h1.78
  text "5" at 91.919,157.482 h1.78
  text "4" at 141.195,157.482 h1.78
  text "3" at 190.487,157.482 h1.78
  text "2" at 239.747,157.482 h1.78
  text "1" at 288.785,157.482 h1.78
  text "A" at -77.703,123.497 h1.78
  text "A" at 310.917,123.497 h1.78
  text "B" at -77.703,52.885 h1.78
  text "B" at 310.917,52.885 h1.78
  text "C" at -77.703,-17.727 h1.78
  text "C" at 310.917,-17.727 h1.78
  text "Nom de la carte:" at -0.167,-87.246 h1.14
  text "Verifie par:" at 37.933,-87.246 h1.14
  text "D" at -77.703,-87.831 h1.78
  text "D" at 310.917,-87.831 h1.78
  text ".VerifEngineer" at 31.606,-91.205 h1.52
  text ".boardName" at -12.874,-91.589 h1.52
  text "Nom du Projet" at -0.04,-93.596 h1.14
  text "dessine par:" at 37.933,-94.739 h1.14
  text ".projectTitle" at -13.194,-97.989 h1.52
  text ".designEngineer" at 31.414,-98.693 h1.52
  text "Revision" at -53.507,-102.486 h1.14
  text "PART NO.:" at -0.167,-102.486 h1.14
  text "DATE:" at 37.933,-102.486 h1.14
  text "3 Av didier Daurat" at 70.191,-104.137 h1.52
  text ".boardrevision" at -54.015,-105.407 h1.52
  text ".PRINT_DATE" at 35.962,-106.297 h1.78
  text ".boardPartNumber" at -9.546,-106.757 h1.52
  text "31400 Toulouse" at 68.261,-107.947 h1.52
  text "Echelle:" at -53.507,-110.106 h1.14
  text "Document: No:" at -0.167,-110.106 h1.14
  text "NOM DU FICHIER:" at 37.933,-110.106 h1.14
  text ".PCB_FILE_NAME_NO_PATH" at 35.962,-113.917 h1.78
  text "1:1" at -59.914,-114.117 h1.52
  text "8" at -55.655,-119.378 h1.78
  text "7" at -6.633,-119.378 h1.78
  text "6" at 42.897,-119.378 h1.78
  text "5" at 91.919,-119.378 h1.78
  text "4" at 141.195,-119.378 h1.78
  text "3" at 190.487,-119.378 h1.78
  text "2" at 239.747,-119.378 h1.78
  text "1" at 288.785,-119.378 h1.78

## Dimensions
-2.005,63.003 to -2.005,-4.997 on Drill Drawing
-4.005,61.003 to 150.927,52 on Drill Drawing

## Text inside footprints (layer, text, board x,y; h text height)
SN1: Top Overlay "S/N:" at 94.898,-2.422 h3; Top Layer "S/N:" at 94.898,-2.422 h3